# Altium PCB relflow_bed.PcbDoc
Units mm, origin at the board's own origin, x right, y up, seen from the top; angles counter-clockwise.
Board outline 100 x 78 mm, 2 copper layers (Top Layer, Bottom Layer), stack 1.571 mm thick; 115 components, 89 nets, 397 pads, 353 vias.
Unrouted connection lines stored in the file: 9.
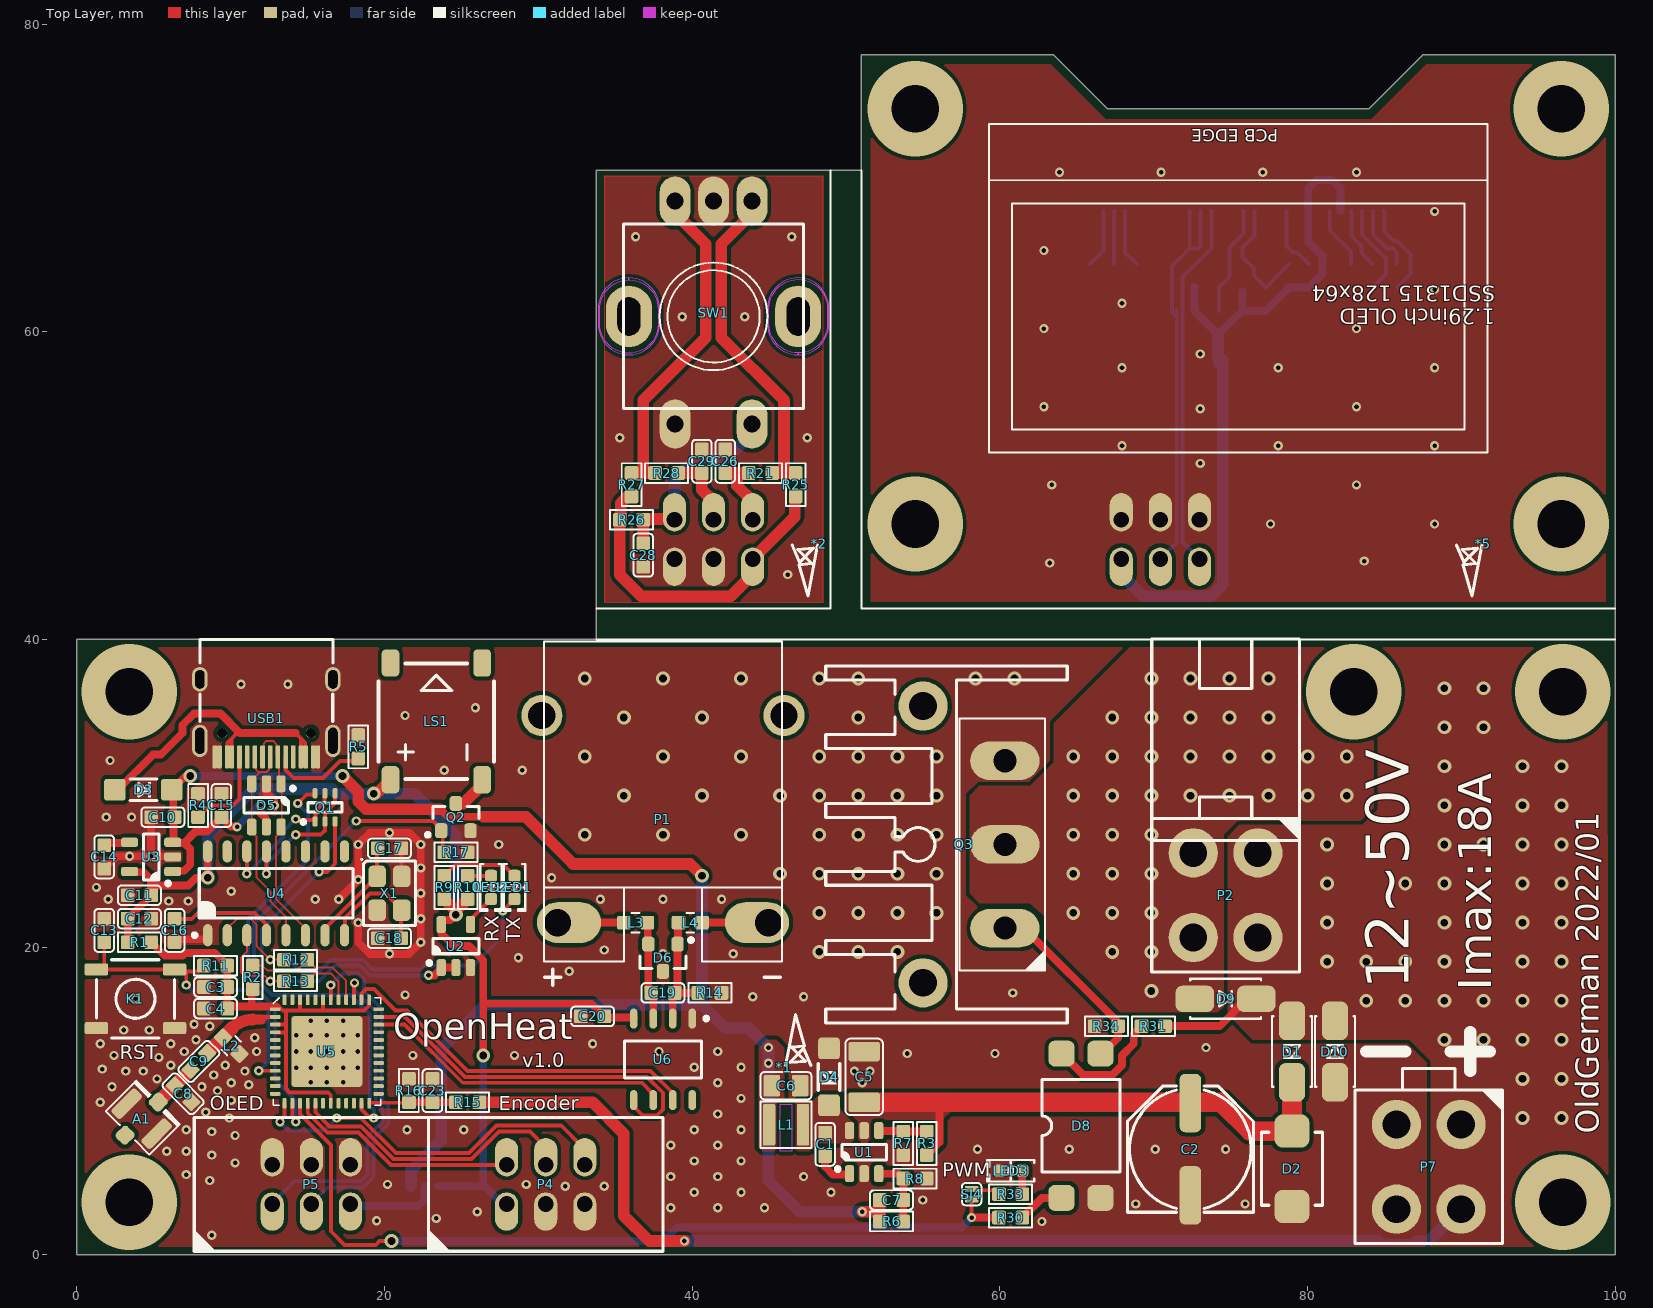
[diagram p0: Top Layer view]
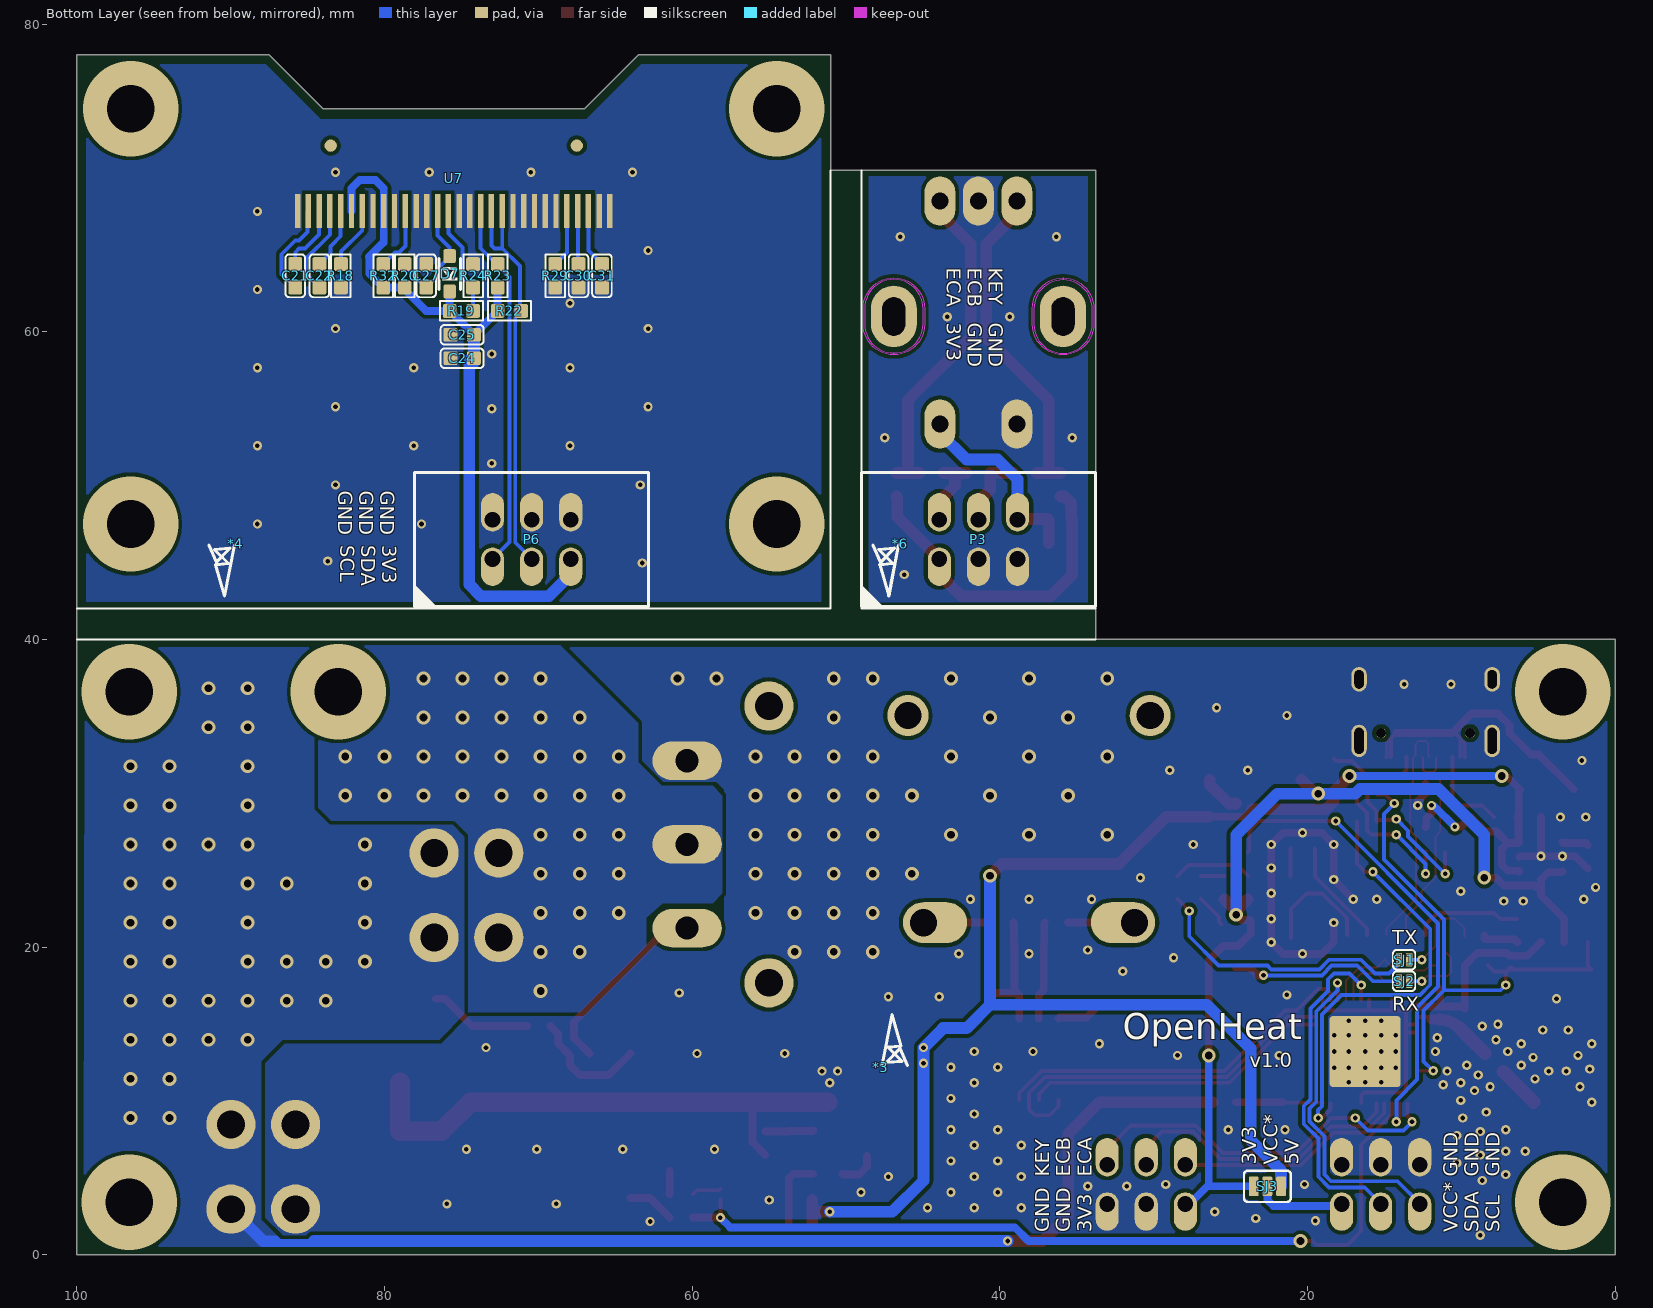
[diagram p1: Bottom Layer view, seen from below]
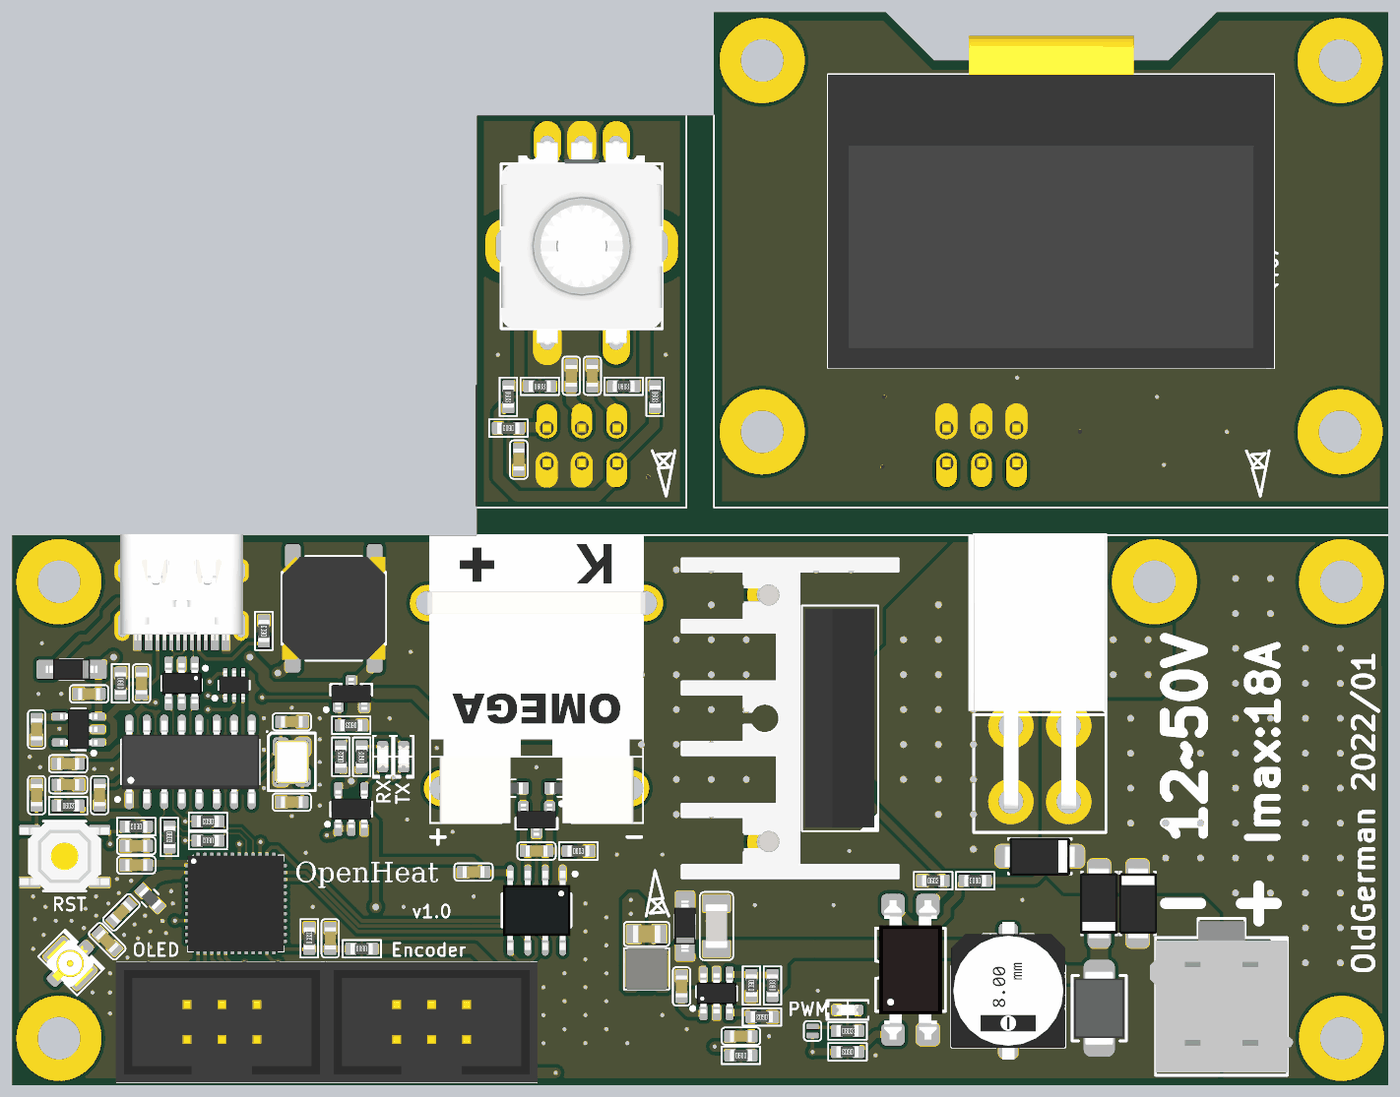
[diagram p2: 3D render of the assembled board from above, using the file's embedded part models]
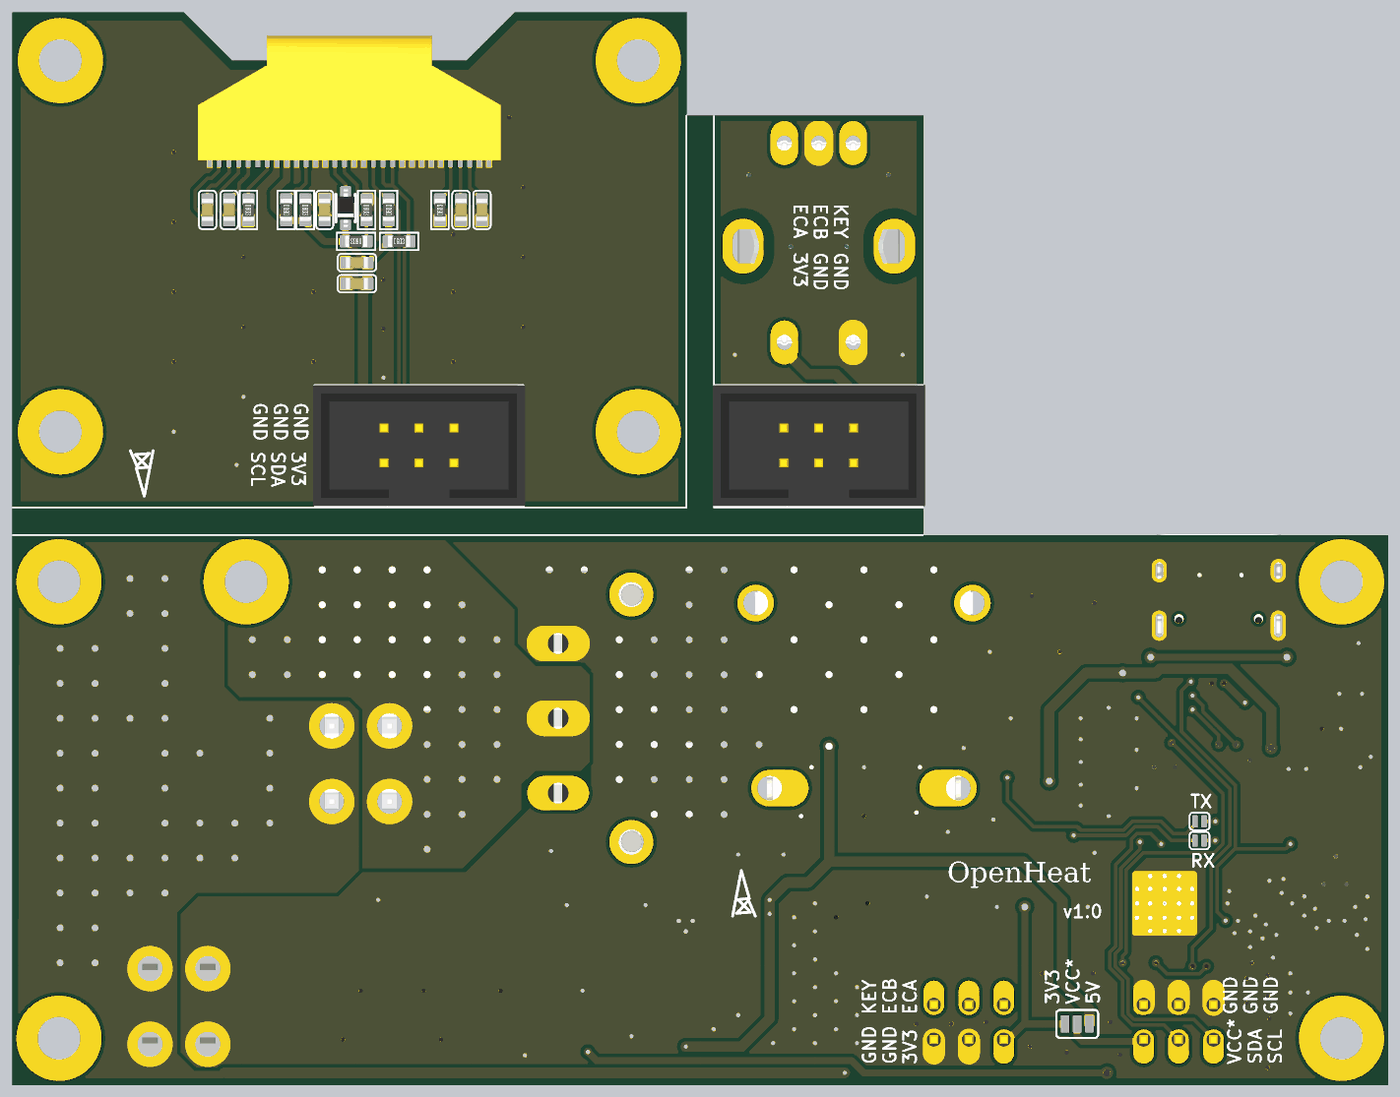
[diagram p3: 3D render of the assembled board from below, using the file's embedded part models]

## Layer stack, top to bottom
Top Solder: solder mask 0.0102, Solder Resist, Dk 3.5
Top Layer: signal copper 0.0356
Dielectric 1: dielectric 1.5, FR-4, Dk 4.8
Bottom Layer: signal copper 0.0356
Bottom Solder: solder mask 0.0102, Solder Resist, Dk 3.5

## Board outline
0,0 0,40 33.78,40 33.78,70.5 51,70.5 51,78 63.5,78 67,74.5 84,74.5 87.5,78 100,78 100,0

## Design rules (kind name [scope] priority, off if disabled: settings)
Clearance [All] p1: gap=0.254 ignorepadtopadclearanceinfootprint=FALSE except(0: SMDPad-Hole THPad-Hole Fill-Hole Poly-Hole Region-Hole Text-Hole; 0.127: Arc-Arc Arc-Track Arc-SMDPad Arc-THPad Arc-Via Arc-Text Track-Track Track-SMDPad Track-THPad Track-Via Track-Text SMDPad-SMDPad SMDPad-THPad SMDPad-Via SMDPad-Text THPad-THPad THPad-Via THPad-Text Via-Via Via-Text Fill-Text Poly-Text Region-Text Text-Text)
ComponentClearance [All] p1: gap=0 collisioncheckmode=3 verticalgap=0 showdistances=FALSE
HoleSize [All] p1: absolutevalues=TRUE maxlimit=7.62 minlimit=0.254 maxpercent=80.000 minpercent=20.000
MinimumSolderMaskSliver [All] p1: minsoldermaskwidth=0.076
PlaneClearance [All] p1: clearance=0.127
PolygonConnect SameVias [IsVia vs IsPoly] p1: connectstyle=Direct reliefconductorwidth=0.254 reliefentries=4 polygonreliefangle="90 Angle" airgapwidth=0.254
PolygonConnect SameDirect [HasFootprint('TO-247AC+HEAT_SINK-TO220') or  InNet('5V') or InNet('GND') or InNet('BED_IN') or InNet('VCC_IN') or InNet('VCC') or HasFootprint('5557_4P_VEC') or  HasFootprint('5557_4P_HOR_90')  or InNet('NetC5_1') or InNet('NetC1_1') or InNet('NetC9_2') vs IsPoly] p2: connectstyle=Direct reliefconductorwidth=0.254 reliefentries=4 polygonreliefangle="90 Angle" airgapwidth=0.254
PolygonConnect [All] p3: connectstyle=Relief reliefconductorwidth=0.254 reliefentries=4 polygonreliefangle="90 Angle" airgapwidth=0.254
RoutingVias [All] p1: holewidth=0.3 width=0.6 viastyle="Through Hole" minholewidth=0.3 minwidth=0.6 maxholewidth=5 maxwidth=6
SilkToSilkClearance [All] p1: silktosilkclearance=0
SilkToSolderMaskClearance [IsPad] p1: minsilkscreentomaskgap=0 clearancetoexposedcopper=TRUE
SolderMaskExpansion [All] p1: expansion=0.051
UnRoutedNet [All] p1: checkbadconnections=TRUE
Width [All] p1: maxlimit=2.54 minlimit=0.127 preferedwidth=0.254 minimp=50.000000 maximp=50.000000 favimp=50.000000
23 further rules are at their usual default settings.

## Components (designator, comment, footprint, x,y, rotation, side; value= is the part's Value field where it differs from the comment)
*1 "odg_logo" odg_logo 45.974,12.192 r0 top
*2 "odg_logo" odg_logo 48.26,46.228 r180 top
*3 "odg_logo" odg_logo 47.752,12.192 r180 bottom
*4 "odg_logo" odg_logo 89.662,46.228 r0 bottom
*5 "odg_logo" odg_logo 91.44,46.228 r180 top
*6 "odg_logo" odg_logo 46.482,46.228 r0 bottom
A1 "ANT_IPEX" IPEX_SMD 4.211,8.845 r45 top
C1 "0.1uF" C0603 48.641,7.175 r270 top
C2 "100uF/50V" PANASONIC_E 72.39,6.858 r90 top
C3 "10uF" C0603 9.017,17.399 r0 top
C4 "0.1uF" C0603 9.017,16.002 r0 top
C5 "10uF" C1206 51.181,11.557 r90 top
C6 "10uF" C0805 46.101,10.986 r180 top
C7 "100pF" C0603 52.959,3.556 r180 top
C8 "DNP" C0603 6.905,10.461 r315 top
C9 "DNP" C0603 7.93,12.564 r45 top
C10 "1uF" C0603 5.588,28.448 r0 top
C11 "0.1uF" C0603 4.064,23.368 r0 top
C12 "1uF" C0603 4.064,21.844 r180 top
C13 "0.1uF" C0603 1.778,21.082 r90 top
C14 "0.1uF" C0603 1.778,25.862 r90 top
C15 "0.1uF" C0603 9.398,29.21 r270 top
C16 "10nF" C0603 6.35,21.082 r90 top
C17 "12pF" C0603 20.32,26.416 r180 top
C18 "12pF" C0603 20.32,20.574 r0 top
C19 "0.1uF" C0603 38.1,17.018 r180 top
C20 "0.1uF" C0603 33.528,15.494 r180 top
C21 "1uF" C0603 85.803,63.64 r90 bottom
C22 "1uF" C0603 84.231,63.64 r90 bottom
C23 "270pF" C0603 23.114,10.668 r270 top
C24 "2.2uF" C0603 74.951,58.281 r180 bottom
C25 "0.1uF" C0603 74.951,59.805 r180 bottom
C26 "10nF" C0603 42.152,51.58 r270 top
C27 "4.7uF" C0603 77.294,63.64 r270 bottom
C28 "10nF" C0603 36.818,45.484 r90 top
C29 "10nF" C0603 40.628,51.58 r270 top
C30 "4.7uF" C0603 67.388,63.64 r270 bottom
C31 "2.2uF" C0603 65.864,63.64 r270 bottom
D1 "SS34F" SMAF 78.994,13.208 r90 top
D2 "TVS_Bi" DO-214AA_SMBJ 78.994,5.588 r90 top
D3 "B5819W" SOD-123 4.318,30.226 r0 top
D4 "B5819W" SOD-123 48.895,11.557 r270 top
D5 "USBLC6-2" "MICROCHIP SOT-23-6 M6" 12.319,29.21 r270 top
D6 "NUP2105L" "INFINEON SOT-23-3"#1 38.1,19.304 r270 top
D7 "1N4148WS" SOD-323 75.77,63.767 r270 bottom
D8 "PC817C" DIP-4_SMD 65.278,8.382 r90 top
D9 "SS34F" SMAF 74.676,16.637 r180 top
D10 "M7" SMAF 81.788,13.208 r270 top
K1 "#NAME?" TACTILE_SWITCH_SMD_4X4MM 3.81,16.637 r180 top
L1 "6.8uH" IND-30301X 46.101,8.445 r0 top
L2 "DNP" L0603 10.033,13.589 r315 top
L3 "470R/1A" L0603 36.322,21.59 r0 top
L4 "470R/1A" L0603 39.878,21.59 r180 top
LED1 "LED" "LED 0603_1608" 28.448,23.876 r270 top value=color?
LED2 "LED" "LED 0603_1608" 26.924,23.876 r270 top value=color?
LED3 "LED" "LED 0603_1608" 60.706,5.461 r180 top value=color?
LS1 "Speaker" BUZZER_7525 23.368,34.671 r90 top
P1 "CONN_X2_K-TYPE" K型热电偶连接器母座 38.1,21.59 r0 top
P2 "CONN_X4" 5569_4P_HOR_90 74.676,23.368 r0 top
P3 "CONN_X6" 简易牛角座直插_2X3P 41.39,46.5 r180 bottom
P4 "CONN_X6" 简易牛角座直插_2X3P 30.48,4.572 r0 top
P5 "CONN_X6" 简易牛角座直插_2X3P 15.24,4.572 r0 top
P6 "CONN_X6" 简易牛角座直插_2X3P 70.436,46.5 r180 bottom
P7 "CONN_X4" 5566_4P_VEC 87.884,5.715 r180 top
Q1 "UMH3N" "ON SEMI SOT-363" 16.129,29.083 r90 top
Q2 "2N7002" "INFINEON SOT-23-3"#2 24.638,28.448 r90 top
Q3 "IRFP064N" TO-247AC+HEAT_SINK-TO220 57.385,26.67 r90 top
R1 "0R" R0603 4.064,20.32 r0 top
R2 "10K" R0603 11.43,18.034 r270 top
R3 "1M" R0603 55.245,7.239 r90 top
R4 "5.1K" R0603 7.874,29.21 r270 top
R5 "5.1K" R0603 18.288,33.02 r90 top
R6 "10K" R0603 52.959,2.159 r0 top
R7 "NC" R0603 53.721,7.239 r270 top
R8 "1.8K" R0603 54.483,4.953 r180 top
R9 "1K" R0603 23.876,23.876 r90 top
R10 "1K" R0603 25.4,23.876 r90 top
R11 "10K" R0603 9.017,18.796 r180 top
R12 "470R" R0603 14.224,19.177 r180 top
R13 "470R" R0603 14.224,17.78 r180 top
R14 "0R" R0603 41.148,17.018 r0 top
R15 "10K" R0603 25.4,9.906 r180 top
R16 "1K" R0603 21.59,10.668 r90 top
R17 "10K" R0603 24.638,26.162 r180 top
R18 "DNP" R0603 82.834,63.64 r270 bottom
R19 "DNP" R0603 75.008,61.354 r0 bottom
R20 "4.7K" R0603 78.691,63.64 r270 bottom
R21 "10K" R0603 44.438,50.818 r0 top
R22 "4.7K" R0603 71.884,61.354 r180 bottom
R23 "4.7K" R0603 72.646,63.64 r90 bottom
R24 "4.7K" R0603 74.246,63.64 r270 bottom
R25 "10K" R0603 46.724,50.056 r270 top
R26 "10K" R0603 36.056,47.77 r180 top
R27 "10K" R0603 36.056,50.056 r270 top
R28 "10K" R0603 38.342,50.818 r0 top
R29 "560K" R0603 68.912,63.64 r90 bottom
R30 "470R" R0603 60.706,2.413 r180 top
R31 "4.7K" R0603 69.977,14.859 r180 top
R32 "4.7K" R0603 80.088,63.64 r90 bottom
R33 "1K" R0603 60.706,3.937 r0 top
R34 "10K" R0603 66.929,14.859 r0 top
SJ1 "SJ_2P" SJ_2P_MINI 13.716,19.177 r180 bottom
SJ2 "SJ_2P" SJ_2P_MINI 13.716,17.78 r180 bottom
SJ3 "SJ_3P" SJ_3P 22.606,4.445 r0 bottom
SJ4 "SJ_2P" SJ_2P_MINI 58.166,3.937 r90 top
SW1 "Rotary Encoder" ENCODER-1 41.39,61 r180 top locked
U1 "ME3116" "MICROCHIP SOT-23-6 M6" 51.181,6.667 r90 top
U2 "SN74LVC1G08DBVR" "MICROCHIP SOT-23-5 OT" 24.638,20.066 r90 top
U3 "LP2992 3V3" "MICROCHIP SOT-23-5 OT" 4.826,25.862 r180 top
U4 "CH340G" "TI SOP-16 D" 12.954,23.495 r90 top
U5 "ESP32_SIP" QFN-48_7X7_VIA 16.256,13.208 r0 top
U6 "MAX6675ISA" SO-8 38.1,12.7 r270 top
U7 "OLED-12864_30PIN" UG-2864HSWEG01_1.29_SSD1315_BUTTOM 75.5,61 r180 top locked
USB1 "Type-C" TYPE-C-TOP 12.319,40.005 r90 top
X1 "12MHz" "EPSON TSX-3225" 20.32,23.495 r270 top

## Footprints (in the part's own frame and the unit in brackets; to place one, negate y for a bottom-side part, rotate by r counter-clockwise, add the part's x,y. Pads: shape width x height; smd on the part's side, far side on the other; paste and mask are expansions set on the pad)
5566_4P_VEC [mm]
  round 3.2 hole 1.8: 1(-2.1,-2.75) 2(2.1,-2.75) 3(-2.1,2.75) 4(2.1,2.75)
  silkscreen extent -4.8,-6.4 4.8,5, body extent -5.2,-6.2 5.2,4.8, height 12.8
5569_4P_HOR_90 [mm]
  round 3.2 hole 1.8: 1(-2.1,-2.75) 2(2.1,-2.75) 3(-2.1,2.75) 4(2.1,2.75)
  silkscreen extent -4.8,3.55 4.8,16.65, body extent -5.2,-3.3 4.8,16.64, height 11.4
BUZZER_7525 [mm]
  rrect50% 1.78x1.15 smd: 1(-3.795,2.98) 2(-3.795,-2.98) NC1(3.795,-2.98) NC2(3.795,2.98)
  silkscreen extent -3.75,-3.75 3.75,3.75, body extent -3.75,-3.75 3.75,3.75, height 2.7
C0603 [mil]
  rrect20% 35x35 smd: 1(-30,0) 2(30,0)
  silkscreen extent -55,-25 55,25, body extent -31,-16 31,16, height 32
C0805 [mil]
  rrect20% 42.5x55 smd: 1(-36.26,0) 2(36.26,0)
  silkscreen extent -65,-35 65,35, body extent -39,-25 39,25, height 50
C1206 [mil]
  rrect20% 50x80 smd: 1(-65,0) 2(65,0)
  silkscreen extent -98,-48 98,48, body extent -63,-31 63,31, height 71
DIP-4_SMD [mm]
  rrect50% 1.68x1.71 smd: 1(-4.693,1.27) 2(-4.693,-1.27) 3(4.693,-1.27) 4(4.693,1.27)
  silkscreen extent -3.02,-2.54 3.02,2.54, body extent -5.07,-2.29 5.08,2.29, height 4.32
DO-214AA_SMBJ [mm]
  rrect50% 2.16x2.26 smd paste+0 mask+0: 1(-2.45,0) 2(2.45,0)
  silkscreen extent -2.37,-1.97 2.37,1.97, body extent -2.7,-1.81 2.7,1.81, height 2.62
ENCODER-1 [mm]
  oval 2x3.2 hole 1.1: 1(-2.5,-7.5) 2(0,-7.5) 3(2.5,-7.5) 4(2.5,7) 5(-2.5,7)
  oval 3x4 hole 2.5 slot 1.5 at 0 deg: NC1(-5.5,0) NC2(5.5,0)
  Top Layer region: 0,2.5
  Top Layer region: -4.75,1
  Top Layer region: -5.5,2.25
  Top Layer keep-out region: -8,6.25
  Top Layer keep-out region: -5.5,2.5 -6.265,2.348 -6.914,1.914 -7.348,1.265 -7.5,0.5 -7.5,0.5 -7.5,-0.5 -7.348,-1.265 -6.914,-1.914 -6.265,-2.348 -5.5,-2.5 -5.5,-2.5 -4.735,-2.348 -4.086,-1.914 -3.652,-1.265 -3.5,-0.5 -3.5,-0.5 -3.5,0.5 -3.652,1.265 -4.086,1.914 -4.735,2.348 -5.5,2.5 -5.5,2.5 -5.5,2.375 -4.773,2.23 -4.156,1.819 -3.745,1.202 -3.6,0.475 -3.6,0.475 -3.6,-0.5 -3.745,-1.227 -4.156,-1.844 -4.773,-2.255 -5.5,-2.4 -5.5,-2.4 -6.227,-2.255 -6.844,-1.844 -7.255,-1.227 -7.4,-0.5 -7.4,-0.5 -7.4,0.475 -7.255,1.202 -6.844,1.819 -6.227,2.23 -5.5,2.375 -5.5,2.375
  Top Layer keep-out region: 5.5,-2.5 6.265,-2.348 6.914,-1.914 7.348,-1.265 7.5,-0.5 7.5,-0.5 7.5,0.5 7.348,1.265 6.914,1.914 6.265,2.348 5.5,2.5 5.5,2.5 4.735,2.348 4.086,1.914 3.652,1.265 3.5,0.5 3.5,0.5 3.5,-0.5 3.652,-1.265 4.086,-1.914 4.735,-2.348 5.5,-2.5 5.5,-2.5 5.5,-2.375 4.773,-2.23 4.156,-1.819 3.745,-1.202 3.6,-0.475 3.6,-0.475 3.6,0.5 3.745,1.227 4.156,1.844 4.773,2.255 5.5,2.4 5.5,2.4 6.227,2.255 6.844,1.844 7.255,1.227 7.4,0.5 7.4,0.5 7.4,-0.475 7.255,-1.202 6.844,-1.819 6.227,-2.23 5.5,-2.375 5.5,-2.375
  Bottom Layer keep-out region: 5.5,-2.5 6.265,-2.348 6.914,-1.914 7.348,-1.265 7.5,-0.5 7.5,-0.5 7.5,0.5 7.348,1.265 6.914,1.914 6.265,2.348 5.5,2.5 5.5,2.5 4.735,2.348 4.086,1.914 3.652,1.265 3.5,0.5 3.5,0.5 3.5,-0.5 3.652,-1.265 4.086,-1.914 4.735,-2.348 5.5,-2.5 5.5,-2.5 5.5,-2.375 4.773,-2.23 4.156,-1.819 3.745,-1.202 3.6,-0.475 3.6,-0.475 3.6,0.5 3.745,1.227 4.156,1.844 4.773,2.255 5.5,2.4 5.5,2.4 6.227,2.255 6.844,1.844 7.255,1.227 7.4,0.5 7.4,0.5 7.4,-0.475 7.255,-1.202 6.844,-1.819 6.227,-2.23 5.5,-2.375 5.5,-2.375
  Bottom Layer keep-out region: -5.5,2.5 -6.265,2.348 -6.914,1.914 -7.348,1.265 -7.5,0.5 -7.5,0.5 -7.5,-0.5 -7.348,-1.265 -6.914,-1.914 -6.265,-2.348 -5.5,-2.5 -5.5,-2.5 -4.735,-2.348 -4.086,-1.914 -3.652,-1.265 -3.5,-0.5 -3.5,-0.5 -3.5,0.5 -3.652,1.265 -4.086,1.914 -4.735,2.348 -5.5,2.5 -5.5,2.5 -5.5,2.375 -4.773,2.23 -4.156,1.819 -3.745,1.202 -3.6,0.475 -3.6,0.475 -3.6,-0.5 -3.745,-1.227 -4.156,-1.844 -4.773,-2.255 -5.5,-2.4 -5.5,-2.4 -6.227,-2.255 -6.844,-1.844 -7.255,-1.227 -7.4,-0.5 -7.4,-0.5 -7.4,0.475 -7.255,1.202 -6.844,1.819 -6.227,2.23 -5.5,2.375 -5.5,2.375
  silkscreen extent -5.85,-6 5.85,6, body extent -5.86,-7.73 5.86,7.22, height 19.5
"EPSON TSX-3225" [mm] "Crystal, 4-Leads, Body 2.50x3.20mm, Pitch 2.20mm, IPC Medium Density"
  rrect50% 1.4x1.15 smd: 1(-1.1,-0.8) 2(1.1,-0.8) 3(1.1,0.8) 4(-1.1,0.8)
  silkscreen extent -2.25,-1.85 2.1,1.7, body extent -1.61,-1.26 1.61,1.26, height 0.6
IND-30301X [mm] "Inductor, 2-Leads, Body 2.50x2.00mm, IPC Medium Density"
  rrect25% 0.8x2.7 smd: 1(1.1,0) 2(-1.1,0)
  silkscreen extent -1.65,-1.5 1.65,1.5, body extent -1.52,-1.52 1.53,1.52, height 1.5
"INFINEON SOT-23-3"#1 [mm] "SOT23, 3-Leads, Body 2.90x2.40mm, Pitch 0.95mm, IPC Medium Density"
  rrect50% 0.972x0.802 smd: 1(-0.885,0.95) 2(-0.885,-0.95) 3(0.885,0)
  silkscreen extent -1.27,-1.5 0.7,1.95, body extent -1.16,-1.45 1.16,1.45, height 1
"INFINEON SOT-23-3"#2 [mm] "SOT23, 3-Leads, Body 2.90x2.40mm, Pitch 0.95mm, IPC Medium Density"
  rrect50% 0.972x0.802 smd: D(0.885,0) G(-0.885,0.95) S(-0.885,-0.95)
  silkscreen extent -1.27,-1.5 0.7,1.95, body extent -1.16,-1.45 1.16,1.45, height 1
IPEX_SMD [mm]
  rrect50% 1.05x1 smd: 1(1.525,0) NC(-1.525,0)
  rrect50% 2.2x0.85 smd: 2(0,1.375) 3(0,-1.375)
  silkscreen extent -1.3,-2 1.5,2, body extent -1.55,-1.5 1.55,1.5, height 1.25
K型热电偶连接器母座 [mil]
  oval 164.06x105 hole 70 copper offset 29.53,0: +(-270,0)
  oval 164.06x105 hole 70 copper offset -29.53,0: -(270,0)
  round 105 hole 70: CLIP1(310,530) CLIP2(-310,530)
  silkscreen extent -305,-100 305,720, body extent -313,-100 313,719, height 256
L0603 [mil] "Chip Fuse 1.5A AC 32V DC, 2-Leads, Body 1.60x0.80mm, IPC Medium Density"
  rrect25% 35x35 smd: 1(-30,0) 2(30,0)
  silkscreen extent -10,-25 10,25, body extent -31,-16 31,16, height 32
"LED 0603_1608" [mm] "Chip Diode, 2-Leads, Body 1.60x0.80mm, IPC Medium Density"
  rrect50% 0.8x0.8 smd: 1(-0.75,0) 2(0.75,0)
  silkscreen extent -1.52,-0.7 1.52,0.7, body extent -0.8,-0.4 0.8,0.4, height 0.53
"MICROCHIP SOT-23-5 OT" [mm] "SOT23, 5-Leads, Body 2.90x2.70mm, Pitch 0.95mm, IPC Medium Density"
  rrect50% 1.1x0.6 smd: 1(-1.4,0.95) 2(-1.4,0) 3(-1.4,-0.95) 4(1.4,-0.95) 5(1.4,0.95)
  silkscreen extent -1.22,-1.5 0.5,1.85, body extent -1.36,-1.45 1.36,1.45, height 1.19
"MICROCHIP SOT-23-6 M6" [mm] "SOT23, 6-Leads, Body 2.90x2.80mm, Pitch 0.95mm, IPC Medium Density"
  rrect50% 1.1x0.6 smd: 1(-1.4,0.95) 2(-1.4,0) 3(-1.4,-0.95) 4(1.4,-0.95) 5(1.4,0) 6(1.4,0.95)
  silkscreen extent -1.22,-1.45 0.5,1.85, body extent -1.46,-1.45 1.46,1.45, height 1.45
odg_logo [mm]
  silkscreen extent 0.1,0.1 1.75,3.4
"ON SEMI SOT-363" [mm] "SOT363, 6-Leads, Body 2.00x2.10mm, Pitch 0.65mm, IPC Medium Density"
  rrect50% 0.66x0.3 smd: 1(-0.92,0.65) 2(-0.92,0) 3(-0.92,-0.65) 4(0.92,-0.65) 5(0.92,0) 6(0.92,0.65)
  silkscreen extent -1.07,-1.1 0.3,1.53, body extent -1.06,-1.1 1.06,1.1, height 1.05
PANASONIC_E [mm]
  rrect50% 3.8x1.4 smd: 1(3,0) 2(-3,0)
  silkscreen extent -4.1,-4.1 4.1,4.1, body extent -5,-4.15 5,4.15, height 10.8
QFN-48_7X7_VIA [mm]
  rrect50% 0.675x0.25 smd: 1(-3.363,2.75) 2(-3.363,2.25) 3(-3.363,1.75) 4(-3.363,1.25) 5(-3.363,0.75) 6(-3.363,0.25) 7(-3.363,-0.25) 8(-3.363,-0.75) 9(-3.363,-1.25) 10(-3.363,-1.75) 11(-3.363,-2.25) 12(-3.363,-2.75) 25(3.363,-2.75) 26(3.363,-2.25) 27(3.363,-1.75) 28(3.363,-1.25) 29(3.363,-0.75) 30(3.363,-0.25) 31(3.363,0.25) 32(3.363,0.75) 33(3.363,1.25) 34(3.363,1.75) 35(3.363,2.25) 36(3.363,2.75)
  rrect50% 0.25x0.675 smd: 13(-2.75,-3.363) 14(-2.25,-3.363) 15(-1.75,-3.363) 16(-1.25,-3.363) 17(-0.75,-3.363) 18(-0.25,-3.363) 19(0.25,-3.363) 20(0.75,-3.363) 21(1.25,-3.363) 22(1.75,-3.363) 23(2.25,-3.363) 24(2.75,-3.363) 37(2.75,3.363) 38(2.25,3.363) 39(1.75,3.363) 40(1.25,3.363) 41(0.75,3.363) 42(0.25,3.363) 43(-0.25,3.363) 44(-0.75,3.363) 45(-1.25,3.363) 46(-1.75,3.363) 47(-2.25,3.363) 48(-2.75,3.363)
  rrect8% 4.6x4.6 smd paste-2.25: 49(0,0)
  rrect8% 4.6x4.6 smd far side paste-2.25: 49_1(0,0)
  silkscreen extent -3.5,-3.5 3.5,3.5, body extent -3.5,-3.5 3.5,3.5, height 1
R0603 [mil] "Chip Resistor, 2-Leads, Body 1.0x0.5mm, IPC Medium Density"
  rrect25% 35x35 smd: 1(-30,0) 2(30,0)
  silkscreen extent -55,-25 55,25, body extent -31,-16 32,16, height 18
SJ_2P_MINI [mil]
  rrect30% 16x35 smd: 1(-13,0) 2(13,0)
  silkscreen extent -29,-25 29,25
SJ_3P [mil]
  rrect25% 25x50 smd: 1(-35,0) 2(0,0) 3(35,0)
  silkscreen extent -60,-40 60,40